# Altium PCB uTCA_MCH_PCB3.pcbdoc (part 24 of 25)
Units mil, origin at the board's own origin, x right, y up, seen from the top; angles counter-clockwise.
Board outline 7110.66 x 2894.12 mil, 12 copper layers (Top Layer, GND1, MidLayer1, PWR1, MidLayer2, GND2, PWR2, MidLayer3, GND3, MidLayer4, PWR3, Bottom Layer), stack 63.15 mil thick; 767 components, 905 nets, 4553 pads, 2832 vias.
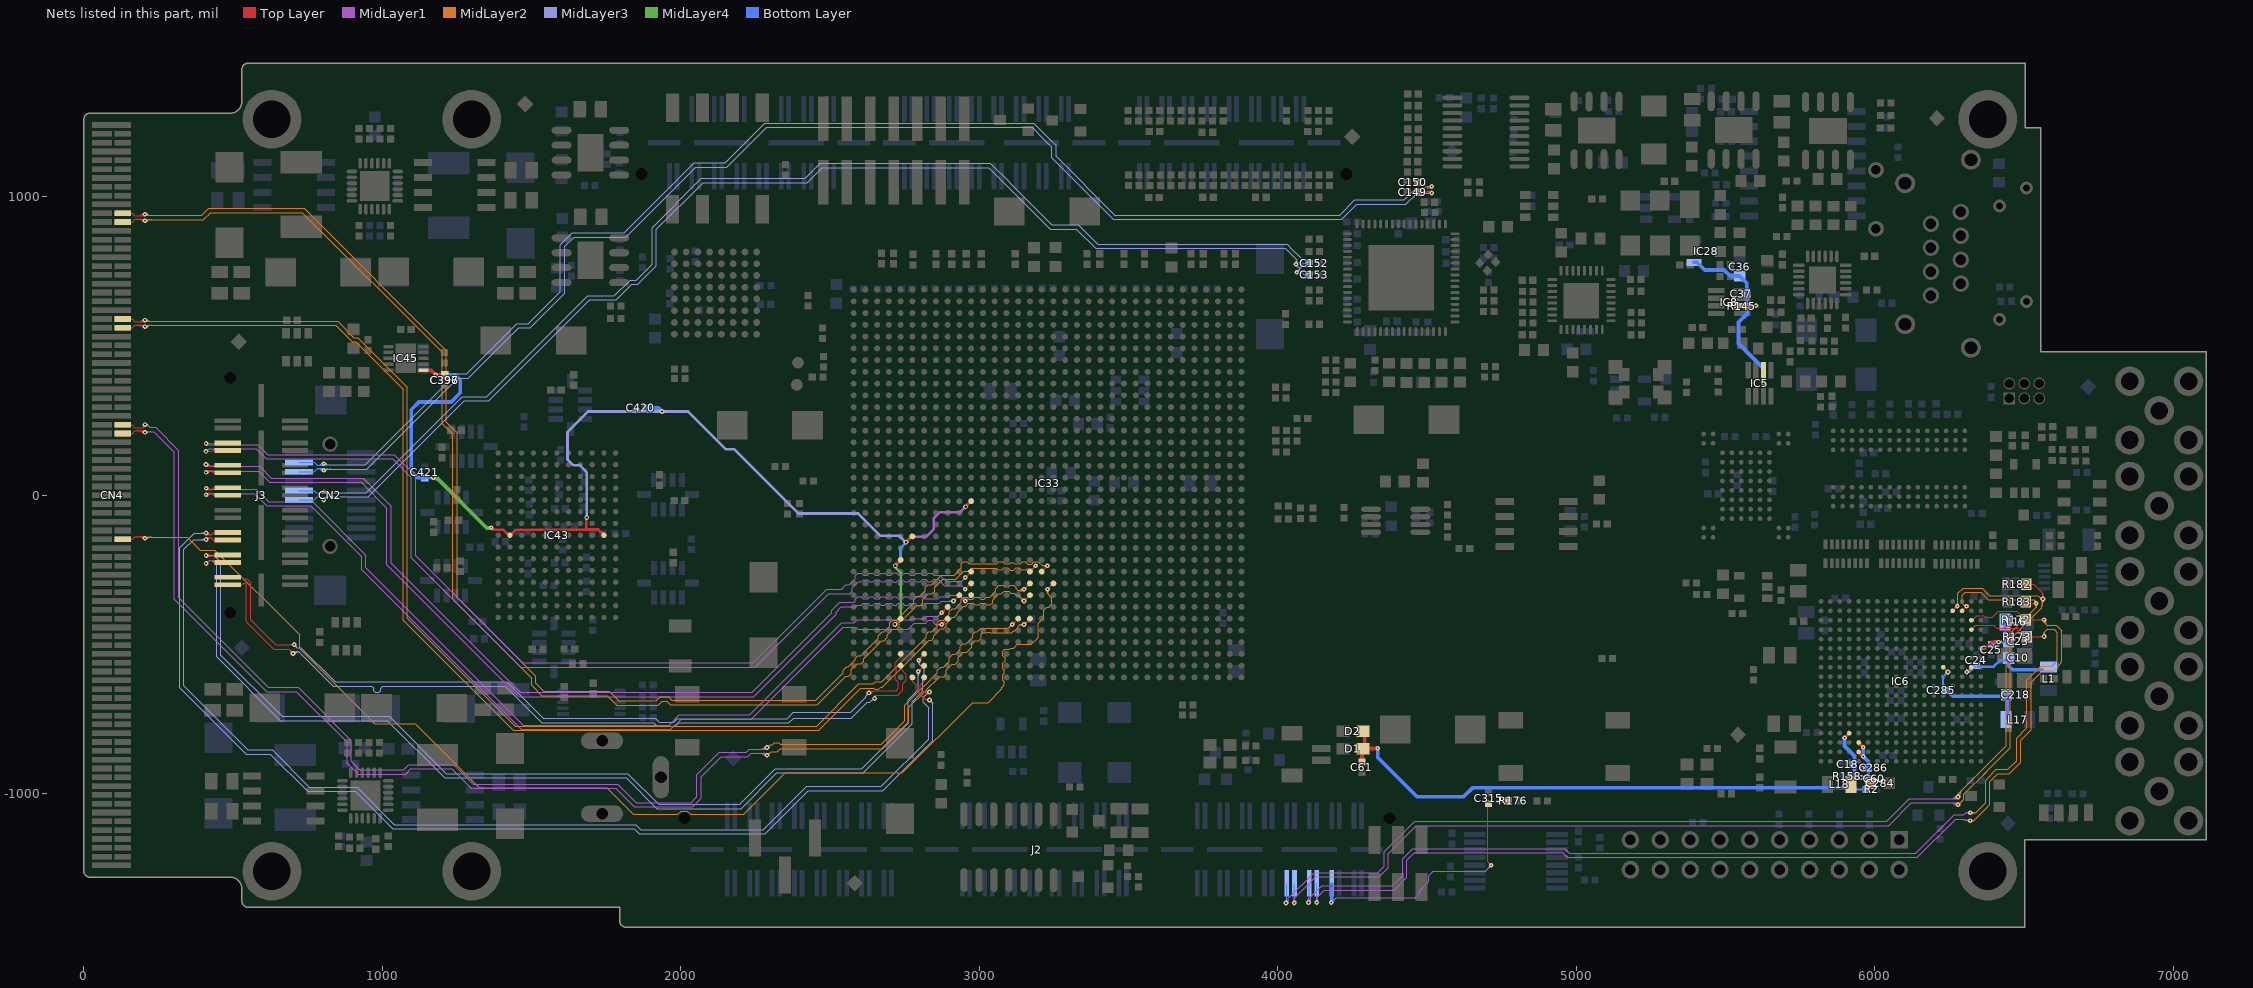
[diagram p34: the nets of this part, all layers, seen from the top]

## Via types
v1: diameter 15.75, hole 5.91, Top Layer to Bottom Layer, tented both sides, 2480 vias
v2: diameter 23.62, hole 11.81, Top Layer to Bottom Layer, tented both sides, 325 vias
v3: diameter 20, hole 10, Top Layer to Bottom Layer, tented both sides, 16 vias
v4: diameter 15.75, hole 7.87, Top Layer to Bottom Layer, tented both sides, 9 vias
v5: diameter 23.62, hole 11.81, Top Layer to Bottom Layer, 1 vias
v6: diameter 15.75, hole 5.91, Top Layer to Bottom Layer, 1 vias

## Nets (pads, with @x,y where several pads share a name; then routed paths per layer and width w, separated by ;. In a path a pad name is that pad's centre, name@x,y a point inside that pad or via, vN(x,y) a via of type N, cw(c..) or ccw(c..) an arc to the next point about the centre after c; other vN are vias at no path point) (continued)
TXFD3_P: CN4.38 IC33.U26 | length 4180.6
  Top Layer w3.94: CN4.38@129.92,-147.64 161.41,-147.64 170.71,-138.34 199.31,-138.34 v1(204.72,-143.76) ; 177.4,-138.34 cw(c177.4,-171.08) v1@200.55,-147.93 ; 186.9,-138.34 cw(c186.9,-161.58) v1@203.33,-145.15 ; 196.41,-138.34 cw(c196.41,-152.07) v1@206.12,-142.36 ; v1(3228.35,-314.96) IC33.U26@3248.03,-295.28 ; v1@3228.35,-309.06 ccw(c3228.35,-294.8) 3238.43,-304.88 ccw(c3248.51,-314.96) v1@3234.25,-314.96
  MidLayer2 w3.94: v1(204.72,-143.76) 208.5,-139.98 346.67,-139.98 390.19,-183.5 439.19,-183.5 722.44,-466.74 722.44,-513.78 974.9,-766.24 1110.37,-766.24 1324.09,-979.95 1751.2,-979.95 1840.62,-1069.37 1990.12,-1069.37 2001.62,-1057.87 2022,-1057.87 2033.5,-1069.37 2210.24,-1069.37 2350.05,-929.56 2742.1,-929.56 2977.21,-694.45 3028.95,-694.45 3075.27,-648.13 3075.27,-642.72 ; v1@206.12,-145.15 cw(c218.6,-157.63) 218.6,-139.98 ; v1@208.9,-147.93 cw(c228.11,-167.14) 228.11,-139.98 ; 3076.17,-642.72 3083.66,-635.22 3083.66,-624.62 3078.1,-619.06 3078.1,-603.72 ; 3077.87,-601.65 3083.66,-595.85 3083.66,-585.25 3078.65,-580.24 3078.65,-563.07 3086.02,-555.69 3086.02,-545.09 3078.85,-537.92 3078.85,-523.27 3085.47,-516.64 3100.69,-516.64 3105.52,-511.81 3114.58,-511.81 3126.95,-499.44 3143.88,-499.44 ; 3144.31,-499.02 3154.91,-499.02 ; 3155.33,-499.44 3174.19,-499.44 3196.85,-476.78 3196.85,-428.28 3215.7,-409.43 3215.7,-385.87 3226.5,-375.07 3231.77,-375.07 3243.25,-363.59 3243.25,-344.46 3228.87,-330.08 ; v1@3224.25,-319.21 cw(c3213.76,-330.09) 3228.87,-330.09 ; v1@3228.35,-319.49 v1(3228.35,-314.96) ; 3228.87,-327.95 cw(c3241.34,-327.95) v1@3232.52,-319.14 ; v1@3231.43,-316.76 3228.87,-319.32 3228.87,-330.08
TXFD4_N: CN4.51 IC33.Y29 | length 4411.4
  Top Layer w3.94: CN4.51@129.92,236.22 161.41,236.22 170.71,226.92 199.31,226.92 ; v1@199.87,233.23 cw(c195.82,230.41) 199.31,226.92 ; v1@204.72,232.34 199.31,226.92 ; v1(3110.24,-433.07) IC33.Y29@3129.92,-413.39 ; v1@3110.24,-427.17 ccw(c3110.24,-412.91) 3120.32,-422.99 ccw(c3130.4,-433.07) v1@3116.14,-433.07
  MidLayer1 w3.94: v1@204.13,238.48 cw(c206.9,229.65) 213.45,236.19 ; v1(204.72,236.6) 213.04,236.6 ; v1@205.31,234.72 cw(c209.1,222.65) 218.04,231.59 ; v1@206.49,230.96 cw(c211.29,215.66) 222.64,227 ; v1@210.3,234.65 cw(c213.04,233.69) 213.04,236.6 ; v1@210.3,238.54 ccw(c213.04,239.5) 213.04,236.6 ; 2260.11,-850.79 ccw(c2260.11,-816.37) v1@2284.45,-840.71 ; 2269.61,-850.79 ccw(c2269.61,-825.87) v1@2287.23,-843.49 ; 2279.12,-850.79 ccw(c2279.12,-835.38) v1@2290.01,-846.27 ; v1(2288.62,-844.88) 2282.72,-850.79 2229.23,-850.79 2218.56,-861.46 2128.8,-861.46 2053.87,-936.4 2053.87,-1009.96 2034.22,-1029.61 1849.72,-1029.61 1787.69,-967.57 1303.75,-967.57 1238.63,-902.45 1088.88,-902.45 1071.65,-919.68 923.77,-919.68 895.79,-891.69 895.79,-822.23 717.55,-643.98 618.27,-643.98 317.52,-343.24 317.52,149.5 240.02,227 222.64,227 ; 213.04,236.6 222.64,227
  MidLayer2 w3.94: v1(2288.62,-844.88) 2291.49,-844.88 2301.34,-835.03 ; v1@2288.89,-842.93 ccw(c2290,-834.9) 2295.74,-840.63 ; v1@2289.43,-839.03 ccw(c2291.36,-825.06) 2301.34,-835.03 ; v1@2294.53,-844.88 cw(c2301.86,-844.88) 2296.68,-839.69 ; 2805.68,-648.64 2750,-704.32 2750,-755.48 2670.83,-834.65 2332.29,-834.65 2327.37,-829.72 2312.78,-829.72 2307.48,-835.03 2301.34,-835.03 ; 2805.68,-648.27 2821.49,-632.45 ; 2821.87,-632.45 2852.41,-601.92 ; 2852.81,-601.92 2859.25,-595.47 2859.25,-586.4 2869.78,-575.88 2878.84,-575.88 2898.62,-556.1 2898.62,-545.07 2910.37,-533.31 2919.14,-533.31 2925.05,-527.41 2936.02,-516.43 2936.02,-505.7 2944.67,-497.05 2955.41,-497.05 2977.36,-475.09 2977.36,-466.33 2986.01,-457.68 2992.71,-457.68 3003.53,-446.85 3018.9,-446.85 ; 3020.31,-445.44 3042.68,-445.44 ; 3043.62,-446.39 3096.92,-446.39 v1(3110.24,-433.07) ; v1@3104.33,-433.07 cw(c3090.07,-433.07) 3100.15,-443.15 cw(c3110.24,-453.23) v1@3110.24,-438.98
TXFD4_P: CN4.50 IC33.W29 | length 4472.7
  Top Layer w3.94: CN4.50@129.92,206.69 161.41,206.69 170.71,215.99 199.31,215.99 v1(204.72,210.57) ; 177.4,215.99 cw(c177.4,183.25) v1@200.55,206.4 ; 186.9,215.99 cw(c186.9,192.75) v1@203.33,209.18 ; 196.41,215.99 cw(c196.41,202.26) v1@206.12,211.97 ; v1(3149.61,-433.07) IC33.W29@3169.29,-413.39 ; v1@3149.61,-427.17 ccw(c3149.61,-412.91) 3159.69,-422.99 ccw(c3169.77,-433.07) v1@3155.51,-433.07
  MidLayer1 w3.94: v1(204.72,210.57) 206.95,212.8 234.13,212.8 303.32,143.61 303.32,-349.12 612.38,-658.19 711.66,-658.19 881.58,-828.11 881.58,-897.58 913.73,-929.72 917.89,-933.88 1077.53,-933.88 1094.76,-916.66 1232.75,-916.66 1297.87,-981.78 1781.81,-981.78 1843.84,-1043.81 2040.1,-1043.81 2068.07,-1015.84 2068.07,-942.28 2134.68,-875.67 2224.44,-875.67 2235.12,-864.99 2282.72,-864.99 v1(2288.62,-870.9) ; v1@206.12,209.18 cw(c214.84,200.46) 214.84,212.8 ; v1@208.9,206.4 cw(c224.34,190.95) 224.34,212.8 ; v1@208.9,214.75 ccw(c213.62,219.47) 213.62,212.8 ; 2260.11,-864.99 cw(c2260.11,-899.41) v1@2284.45,-875.07 ; 2269.61,-864.99 cw(c2269.61,-889.91) v1@2287.23,-872.29 ; 2279.12,-864.99 cw(c2279.12,-880.4) v1@2290.01,-869.51
  MidLayer2 w3.94: v1(204.72,210.57) v1@208.5,214.35 ; v1(2288.62,-870.9) 2294.53,-864.99 2296.95,-864.99 2302.69,-859.25 2323.39,-859.25 2333.4,-849.24 2466.61,-849.24 2467,-848.85 2676.72,-848.85 2764.2,-761.36 2764.2,-710.2 2819.88,-654.53 ; 2819.88,-654.15 2827.38,-646.65 ; 2827.76,-646.65 2858.29,-616.12 ; 2858.69,-616.12 2867.71,-607.1 ; 2867.9,-607.28 2880.13,-607.28 2888.78,-598.64 2888.78,-586.03 2899.81,-575.01 2908.87,-565.94 2919.5,-565.94 2929.18,-556.26 2929.18,-543.36 2935.09,-537.45 2945.97,-526.57 2956.9,-526.57 2974.46,-509.02 2974.46,-498.08 2985.67,-486.87 ; 2986.01,-487.2 2998.24,-487.2 3006.89,-478.56 3006.89,-463.58 3009.42,-461.06 3024.79,-461.06 ; 3026.2,-459.65 3036.8,-459.65 ; 3037.74,-460.59 3108.11,-460.59 3115.52,-453.18 3118.57,-453.18 3130.35,-441.4 3130.35,-438.35 3135.63,-433.07 ; v1@3145.37,-437.19 ccw(c3135.63,-446.66) 3135.63,-433.07 ; v1@3145.37,-428.95 cw(c3135.63,-419.49) 3135.63,-433.07 ; v1(3149.61,-433.07) 3135.63,-433.07
TXFD5_N: CN4.63 IC33.W26 | length 4485.7
  Top Layer w3.94: CN4.63@129.92,590.55 161.41,590.55 170.71,581.26 199.31,581.26 v1(204.72,586.67) ; 177.4,581.26 ccw(c177.4,614) v1@200.55,590.85 ; 186.9,581.26 ccw(c186.9,604.49) v1@203.33,588.06 ; 196.41,581.26 ccw(c196.41,594.99) v1@206.12,585.28 ; v1(3149.61,-314.96) IC33.W26@3169.29,-295.28 ; v1@3149.61,-309.06 ccw(c3149.61,-294.8) 3159.69,-304.88 ccw(c3169.77,-314.96) v1@3155.51,-314.96
  MidLayer2 w3.94: v1(204.72,586.67) 208.5,582.89 849.84,582.89 904.87,527.87 917.02,527.87 1083.46,361.42 1083.46,-412.32 1444.34,-773.2 2455.15,-773.2 2596.69,-631.65 2644.54,-631.65 2651.2,-625 2661.8,-625 ; v1@206.12,588.06 ccw(c218.6,600.55) 218.6,582.89 ; v1@208.9,590.85 ccw(c228.11,610.05) 228.11,582.89 ; 2661.91,-625.12 2672.47,-625.12 2821.84,-475.74 2821.84,-465.17 2829.34,-457.68 2839.94,-457.68 ; 2840.2,-457.93 2859.25,-438.88 2859.25,-426.96 2867.9,-418.31 2880.5,-418.31 2889.34,-409.47 2893.3,-405.51 ; 2893.5,-405.51 2899.61,-399.41 2899.61,-389.39 2909.07,-379.92 2919.09,-379.92 2939.96,-359.05 2939.96,-349.03 2947.46,-341.54 2958.06,-341.54 2964.52,-348 2966.54,-348 ; 2921.84,-376.97 2937.99,-360.82 ; 2966.62,-347.91 2977.67,-347.91 2984.04,-341.54 2999.42,-341.54 3005.88,-348 3016.95,-348 3023.41,-341.54 3034.05,-341.54 3054.92,-320.66 3054.92,-312.82 3065.57,-302.17 3080.15,-302.17 3084.65,-306.66 3098.43,-306.66 3102.92,-302.17 3115.54,-302.17 3123.03,-309.66 3123.03,-313.19 3128.96,-319.12 ; 3137.04,-319.12 ccw(c3137.04,-305.14) v1@3148.06,-313.75 ; v1@3144.95,-311.32 cw(c3128.96,-298.83) 3128.96,-319.12 ; v1(3149.61,-314.96) 3145.45,-319.12 3128.96,-319.12
TXFD5_P: CN4.62 IC33.W27 | length 4444.1
  Top Layer w3.94: CN4.62@129.92,561.02 161.41,561.02 170.71,570.32 199.31,570.32 v1(204.72,564.91) ; 177.4,570.32 cw(c177.4,537.58) v1@200.55,560.73 ; 186.9,570.32 cw(c186.9,547.09) v1@203.33,563.51 ; 196.41,570.32 cw(c196.41,556.59) v1@206.12,566.3 ; v1(3149.61,-354.33) IC33.W27@3169.29,-334.65 ; v1@3149.61,-348.43 ccw(c3149.61,-334.17) 3159.69,-344.25 ccw(c3169.77,-354.33) v1@3155.51,-354.33
  MidLayer2 w3.94: v1(204.72,564.91) 208.5,568.69 843.96,568.69 898.98,513.66 911.13,513.66 1069.26,355.53 1069.26,-418.21 1438.45,-787.4 2461.03,-787.4 2602.58,-645.86 2646.46,-645.86 2651.2,-650.59 2661.8,-650.59 2669.29,-643.1 2674.58,-643.1 2714.33,-603.35 ; v1@206.12,563.51 cw(c218.6,551.03) 218.6,568.69 ; v1@208.9,560.73 cw(c228.11,541.52) 228.11,568.69 ; 2711.28,-606.39 2832.44,-485.24 2839.95,-485.24 2847.44,-477.74 2847.44,-470.78 2870.38,-447.83 2880.13,-447.83 2888.78,-439.19 2888.78,-430.52 2903.54,-415.76 ; 2903.54,-415.56 2909.55,-409.55 2915.63,-409.55 2926.18,-399 2926.18,-392.92 2947.94,-371.16 2954.02,-371.16 2962.98,-362.2 2972.42,-362.2 ; 2972.51,-362.12 2979.03,-362.12 2984.04,-367.13 2997.43,-367.13 3001.17,-363.38 ; 3002.35,-362.2 3018.47,-362.2 3023.39,-367.13 3036.8,-367.13 3044.29,-359.63 3044.29,-351.38 3055.34,-340.33 3064.96,-330.71 3073.21,-330.71 3083.06,-320.87 3098.05,-320.87 3104.94,-327.76 3116.72,-327.76 3123.81,-334.85 3130.12,-334.85 v1(3149.61,-354.33) ; 3139.52,-344.25 cw(c3129.44,-354.33) v1@3143.7,-354.33 ; 3139.53,-344.25 ccw(c3149.61,-334.17) v1@3149.61,-348.43
TXFD6_N: CN4.75 IC33.V25 | length 4709.9
  Top Layer w3.94: CN4.75@129.92,944.88 161.41,944.88 170.71,935.59 199.31,935.59 v1(204.72,941) ; 177.4,935.59 ccw(c177.4,968.33) v1@200.55,945.18 ; 186.9,935.59 ccw(c186.9,958.82) v1@203.33,942.39 ; 196.41,935.59 ccw(c196.41,949.32) v1@206.12,939.61 ; IC33.V25@3208.66,-255.91 v1(3228.35,-236.22) ; v1@3222.44,-236.22 cw(c3208.18,-236.22) 3218.26,-246.3 cw(c3228.35,-256.38) v1@3228.35,-242.13
  MidLayer2 w3.94: v1(204.72,941) 208.5,937.22 394.65,937.22 418.49,961.06 738.17,961.06 1214.61,484.62 1214.61,245.32 1250,209.92 1250,-342.9 1513.91,-606.81 1513.91,-630.55 1540.46,-657.1 1759.87,-657.1 1791.74,-688.98 1918.03,-688.98 1931.25,-675.76 1958.51,-675.76 1970.15,-687.39 2451.18,-687.39 2543.31,-595.27 2543.31,-586.81 2555.15,-574.97 2560.41,-574.97 2584.63,-550.76 2584.65,-545.47 2592.72,-537.4 2602.33,-537.4 2661.42,-478.32 2661.42,-470.09 2673.85,-457.66 2682.07,-457.66 2700.25,-439.48 2700.25,-427.48 2709.48,-418.25 2721.26,-418.25 2779.53,-359.99 2779.53,-347.81 2788.75,-338.58 2800.88,-338.58 2818.9,-320.56 2818.9,-308.44 2828.12,-299.21 2840.15,-299.21 2872.07,-267.29 2915.78,-267.29 2939.96,-243.11 2939.96,-229.33 2945.87,-223.43 2959.65,-223.43 2965.94,-229.72 ; v1@206.12,942.39 ccw(c218.6,954.88) 218.6,937.22 ; v1@208.9,945.18 ccw(c228.11,964.38) 228.11,937.22 ; 2966.06,-229.61 3057.8,-229.61 3063.98,-223.43 3078.74,-223.43 3084.77,-229.46 3099.89,-229.46 3103.56,-225.79 3114.16,-225.79 3117.83,-229.46 3136.69,-229.46 3143.7,-222.44 3154.63,-222.44 3162.73,-230.54 3174.85,-230.54 3182.96,-222.43 3197.92,-222.43 3211.82,-236.33 v1@3227.69,-236.33 ; 3213.82,-236.33 ccw(c3213.82,-221.7) v1@3224.17,-232.04 ; 3214.35,-236.33 cw(c3214.35,-250.21) v1@3224.17,-240.4
TXFD6_P: CN4.74 IC33.W25 | length 4654.6
  Top Layer w3.94: CN4.74@129.92,915.35 161.41,915.35 170.71,924.65 199.31,924.65 v1(204.72,919.24) ; 177.4,924.65 cw(c177.4,891.91) v1@200.55,915.06 ; 186.9,924.65 cw(c186.9,901.41) v1@203.33,917.84 ; 196.41,924.65 cw(c196.41,910.92) v1@206.12,920.63 ; IC33.W25@3169.29,-255.91 v1(3188.98,-236.22) ; v1@3183.07,-236.22 cw(c3168.81,-236.22) 3178.9,-246.3 cw(c3188.98,-256.38) v1@3188.98,-242.13
  MidLayer2 w3.94: v1(204.72,919.24) 208.5,923.02 400.54,923.02 424.37,946.85 732.28,946.85 1200.4,478.73 1200.4,239.43 1235.8,204.04 1235.8,-348.79 1499.7,-612.7 1499.7,-636.44 1534.57,-671.31 1753.98,-671.31 1785.86,-703.18 1923.92,-703.18 1937.14,-689.96 1952.63,-689.96 1964.27,-701.6 2457.06,-701.6 2552.6,-606.06 2563.03,-606.06 2570.87,-598.23 2570.87,-584.61 2590.51,-564.96 2604.13,-564.96 2612.2,-556.89 2612.2,-547.62 2672.62,-487.2 2680.5,-487.2 2692.12,-475.59 2692.12,-467.71 2710.07,-449.75 2722.52,-449.75 2731.75,-440.52 2731.75,-427.85 2769.76,-389.84 2789.52,-370.08 2801.8,-370.08 2811.02,-360.86 2811.02,-348.53 2816.98,-342.57 2828.84,-330.71 2841.17,-330.71 2850.39,-321.49 2850.39,-309.06 2877.95,-281.5 2921.66,-281.5 2948.42,-254.74 ; v1@206.12,917.84 cw(c218.6,905.36) 218.6,923.02 ; v1@208.9,915.06 cw(c228.11,895.85) 228.11,923.02 ; 2948.6,-254.92 2960.83,-254.92 2971.94,-243.81 3056.8,-243.81 3062.01,-249.02 3076.17,-249.02 3081.52,-243.66 3096.06,-243.66 ; 3096.06,-243.88 3103.56,-251.38 3114.16,-251.38 3121.65,-243.88 ; 3121.65,-243.66 3133.43,-243.66 3139.76,-250 3156.5,-250 3160.55,-245.94 3178.69,-245.94 ; 3179.3,-245.33 ccw(c3170.18,-236.22) v1@3183.07,-236.22 ; v1@3186.44,-238.19 3178.69,-245.94 ; v1@3188.66,-242.12 ccw(c3187.97,-255.23) 3178.69,-245.94
TXFD7_N: IC33.AK32 J3.4 | length 2807.2
  Top Layer w3.94: J3.4@481.69,-275 529.52,-275 534.84,-280.32 545.71,-280.32 558.46,-293.06 558.46,-417.13 642.13,-500.79 v1@703.93,-500.79 ; 688.56,-500.79 ccw(c688.56,-483.84) v1@700.55,-495.82 ; 692.37,-500.79 cw(c692.37,-512.35) v1@700.55,-504.17 ; v1@2629.55,-663.87 ccw(c2633.11,-657.3) 2638.39,-662.58 ; v1(2630.49,-662.14) 2638.84,-662.14 ; v1@2631.42,-660.41 ccw(c2635.73,-652.45) 2642.13,-658.85 ; v1@2633.3,-656.95 ccw(c2638.35,-647.61) 2645.86,-655.12 ; v1@2636.05,-664.11 cw(c2638.84,-665.09) 2638.84,-662.14 ; v1@2636.05,-660.17 ccw(c2638.84,-659.19) 2638.84,-662.14 ; IC33.AK32@2736.22,-531.5 2736.22,-542.85 2717.56,-561.51 2717.56,-577.08 2721.85,-581.37 2721.85,-598.3 2718.31,-601.84 2718.31,-617.79 2719.39,-617.79 2728.78,-627.18 2728.78,-647.35 2721.01,-655.12 2645.86,-655.12 ; 2638.84,-662.14 2645.86,-655.12
  MidLayer3 w3.94: v1@703.93,-500.79 713.3,-510.16 ; v1@704.72,-505.9 cw(c704.72,-516.35) 712.11,-508.97 ; v1@710.52,-501.11 ccw(c720.45,-503.01) 713.3,-510.16 ; v1@2624.58,-662.14 cw(c2610.32,-662.14) 2620.4,-672.22 cw(c2630.49,-682.3) v1@2630.49,-668.05 ; v1(2630.49,-662.14) 2619.06,-673.57 2619.06,-678.82 2618.26,-678.82 2569.39,-727.69 2376.64,-727.69 2356.3,-748.03 1987.77,-748.03 1975.62,-760.19 1927.14,-760.19 1914.55,-747.6 1538.94,-747.6 1416.89,-625.55 841.26,-625.55 725.87,-510.16 713.3,-510.16
  other v1: 704.72,-500
TXFD7_P: IC33.AK33 J3.2 | length 2820.6
  Top Layer w3.94: J3.2@481.69,-300 529.52,-300 534.84,-294.69 539.76,-294.69 544.09,-299.02 544.09,-423.08 636.17,-515.16 685.83,-515.16 v1(700.79,-530.12) ; v1@694.88,-530.12 ccw(c680.62,-530.12) 690.71,-520.04 ccw(c700.79,-509.96) v1@700.79,-524.21 ; v1@2647.03,-675.08 ccw(c2646.05,-672.3) 2649,-672.3 ; v1(2649,-680.65) 2649,-672.3 ; v1@2650.97,-675.08 cw(c2651.95,-672.3) 2649,-672.3 ; IC33.AK33@2736.22,-570.87 2736.22,-581.54 2755.5,-600.82 2755.5,-619.01 2743.15,-631.36 2743.15,-653.3 2726.96,-669.49 2651.81,-669.49 2649,-672.3
  MidLayer3 w3.94: v1@699.04,-529.21 cw(c707.01,-533.35) 707.01,-524.37 ; v1(700.79,-530.12) 706.54,-524.37 719.98,-524.37 ; v1@702.53,-531.03 cw(c713.49,-536.72) 713.49,-524.37 ; v1@706.03,-532.84 cw(c719.98,-540.09) 719.98,-524.37 ; 2639.95,-686.34 cw(c2648.94,-695.33) v1@2648.99,-682.62 ; 2641.29,-685.01 ccw(c2636.93,-680.65) v1@2643.09,-680.65 ; v1@2648.98,-686.56 ccw(c2648.9,-708.66) 2633.27,-693.03 ; v1(2649,-680.65) 2645.65,-680.65 2633.27,-693.03 ; 719.98,-524.37 835.37,-639.76 964.8,-639.76 970.79,-645.75 970.79,-654.66 976.77,-660.65 988.74,-660.65 994.72,-654.66 994.72,-645.75 1000.71,-639.76 1411,-639.76 1533.05,-761.81 1908.66,-761.81 1921.25,-774.4 1981.51,-774.4 1993.66,-762.24 2362.19,-762.24 2378.14,-746.29 2570.89,-746.29 2624.15,-693.03 2633.27,-693.03
TXFD8_N: IC33.AH32 J3.6 | length 3404.7
  Top Layer w3.94: v1@409.45,-223.38 410.94,-221.89 417.85,-221.89 418.34,-221.4 420.81,-221.4 424.25,-217.97 426.04,-217.97 433.07,-225 J3.6@481.69,-225 ; v1@2795.28,-551.18 IC33.AH32@2814.96,-531.5 ; v1@2797.24,-547.24 ccw(c2797.24,-542.47) 2800.61,-545.85 ; v1@2799.21,-553.15 cw(c2813.45,-553.15) 2803.38,-543.08 ; v1@2803.14,-553.15 cw(c2826.89,-553.15) IC33.AH32@2810.1,-536.36
  MidLayer3 w3.94: v1(409.45,-228.35) 416.06,-221.74 417.78,-221.74 422.27,-217.24 431.26,-217.24 444.88,-230.87 444.88,-541.34 658.5,-754.96 1016.63,-754.96 1208.13,-946.46 1816.14,-946.46 1919.33,-1049.65 2202.32,-1049.65 2321.81,-930.16 2611.44,-930.16 2775.35,-766.24 2775.35,-691.71 2809.6,-657.46 2809.6,-604.68 2815.39,-598.88 2815.39,-582.22 2797.24,-564.06 ; v1@2794.01,-558.09 cw(c2790.11,-564.06) 2797.24,-564.06 ; v1(2797.24,-553.15) 2797.24,-564.06 ; v1@2800.47,-558.09 ccw(c2804.37,-564.06) 2797.24,-564.06
TXFD8_P: IC33.AH33 J3.8 | length 3392.6
  Top Layer w3.94: v1(409.45,-201.62) 414.86,-207.03 418.3,-203.6 ; v1@410.84,-200.23 ccw(c418.98,-192.08) 418.98,-203.6 ; v1@413.62,-205.79 cw(c418.93,-211.09) 418.93,-203.6 ; v1@413.62,-197.44 ccw(c428.49,-182.58) 428.49,-203.6 ; v1@413.83,-205.58 cw(c418.29,-209.62) 418.29,-203.6 ; v1@415.32,-200.94 ccw(c418.29,-200.6) 418.29,-203.6 ; J3.8@481.69,-200 433.07,-200 429.47,-203.6 418.3,-203.6 ; v1(2795.28,-590.55) IC33.AH33@2814.96,-570.87 ; v1@2795.28,-584.65 ccw(c2795.28,-570.39) 2805.36,-580.47 ccw(c2815.44,-590.55) v1@2801.18,-590.55
  MidLayer3 w3.94: v1@412.12,-204.29 v1(409.45,-201.62) 435.73,-201.62 459.09,-224.98 459.09,-535.45 664.39,-740.75 1022.52,-740.75 1214.02,-932.24 1822.03,-932.24 1925.22,-1035.43 2196.44,-1035.43 2315.92,-915.94 2605.55,-915.94 2761.14,-760.35 2761.14,-685.82 2795.39,-651.57 2795.39,-604.45 ; v1@413.62,-205.79 cw(c423.71,-215.88) 423.71,-201.62 cw(c423.71,-187.36) v1@413.62,-197.44 ; v1@2791.2,-594.83 cw(c2782.15,-604.33) 2795.28,-604.33 ; v1(2795.28,-590.55) 2795.28,-604.33 ; v1@2799.35,-594.83 ccw(c2808.4,-604.33) 2795.28,-604.33
TXFD9_N: IC33.AH34 J3.10 | length 3796.2
  Top Layer w3.94: v1(409.45,-148.38) 414.86,-142.97 426.04,-142.97 ; v1@411.28,-149.1 cw(c420.27,-152.62) 420.27,-142.97 ; v1@414.95,-150.53 cw(c426.04,-154.87) 426.04,-142.97 ; J3.10@481.69,-150 433.07,-150 426.04,-142.97 ; IC33.AH34@2814.96,-610.24 2814.96,-622.37 2802.46,-634.87 2802.46,-647.64 2814.27,-659.45 v1(2832.68,-659.45) ; v1@2828.5,-663.62 ccw(c2818.42,-673.71) 2818.42,-659.45 ccw(c2818.42,-645.19) v1@2828.5,-655.27
  MidLayer3 w3.94: v1@405.27,-152.56 ccw(c395.19,-162.64) 395.19,-148.38 ccw(c395.19,-134.12) v1@405.27,-144.21 ; v1(409.45,-148.38) 367.76,-148.38 334.65,-181.5 334.65,-638.19 549.45,-852.99 630.71,-852.99 755.47,-977.76 914.96,-977.76 1040.28,-1103.07 1848.94,-1103.07 1866.34,-1120.47 2275.96,-1120.47 2421.04,-975.39 2671.06,-975.39 2829.84,-816.61 2829.84,-741.18 2829.91,-741.11 2829.91,-711.31 2812.56,-693.96 2812.56,-677.3 2830.41,-659.45 v1(2832.68,-659.45) ; 2818.72,-671.14 cw(c2832.68,-685.09) v1@2832.68,-665.35 ; 2824.2,-665.65 ccw(c2818,-659.45) v1@2826.77,-659.45 ; 2825.44,-664.41 cw(c2832.68,-671.65) v1@2832.68,-661.42
TXFD9_P: IC33.AJ34 J3.12 | length 3848.2
  Top Layer w3.94: v1(409.45,-126.62) 414.86,-132.03 426.04,-132.03 ; v1@411.28,-125.9 ccw(c420.27,-122.38) 420.27,-132.03 ; v1@414.95,-124.47 ccw(c426.04,-120.12) 426.04,-132.03 ; J3.12@481.69,-125 433.07,-125 426.04,-132.03 ; IC33.AJ34@2775.59,-610.24 2775.59,-622.37 2788.09,-634.87 2788.09,-653.59 2820.13,-685.63 ; v1@2828.13,-689.39 ccw(c2820.13,-696.01) 2820.13,-685.63 ; v1@2828.13,-681.87 cw(c2820.13,-675.25) 2820.13,-685.63 ; v1(2832.68,-685.63) 2820.13,-685.63
  MidLayer3 w3.94: v1@405.27,-130.79 ccw(c395.19,-140.88) 395.19,-126.62 ccw(c395.19,-112.36) v1@405.27,-122.44 ; v1(409.45,-126.62) 369.42,-126.62 320.43,-175.61 320.43,-644.08 543.56,-867.2 624.82,-867.2 749.59,-991.97 909.07,-991.97 1034.39,-1117.28 1843.05,-1117.28 1860.45,-1134.68 2281.85,-1134.68 2426.93,-989.61 2676.95,-989.61 2844.06,-822.5 2844.06,-697.01 v1(2832.68,-685.63) ; v1@2832.68,-691.54 cw(c2832.68,-705.79) 2842.76,-695.71 cw(c2852.84,-685.63) v1@2838.58,-685.63
TXFD10_N: IC33.AF29 J3.18 | length 3196.6
  Top Layer w3.94: v1@409.45,5.06 v1(409.45,1.62) 414.86,7.03 426.04,7.03 ; v1@411.28,0.9 cw(c420.27,-2.62) 420.27,7.03 ; v1@414.95,-0.53 cw(c426.04,-4.87) 426.04,7.03 ; J3.18@481.69,0 433.07,0 426.04,7.03 ; v1(2874.02,-433.07) IC33.AF29@2893.7,-413.39 ; v1@2874.02,-427.17 ccw(c2874.02,-412.91) 2884.1,-422.99 ccw(c2894.18,-433.07) v1@2879.92,-433.07